# Altium PCB 10515.0461_全联供输出板_V1.1_20200827_1P.PcbDoc (part 1 of 4) (continued)
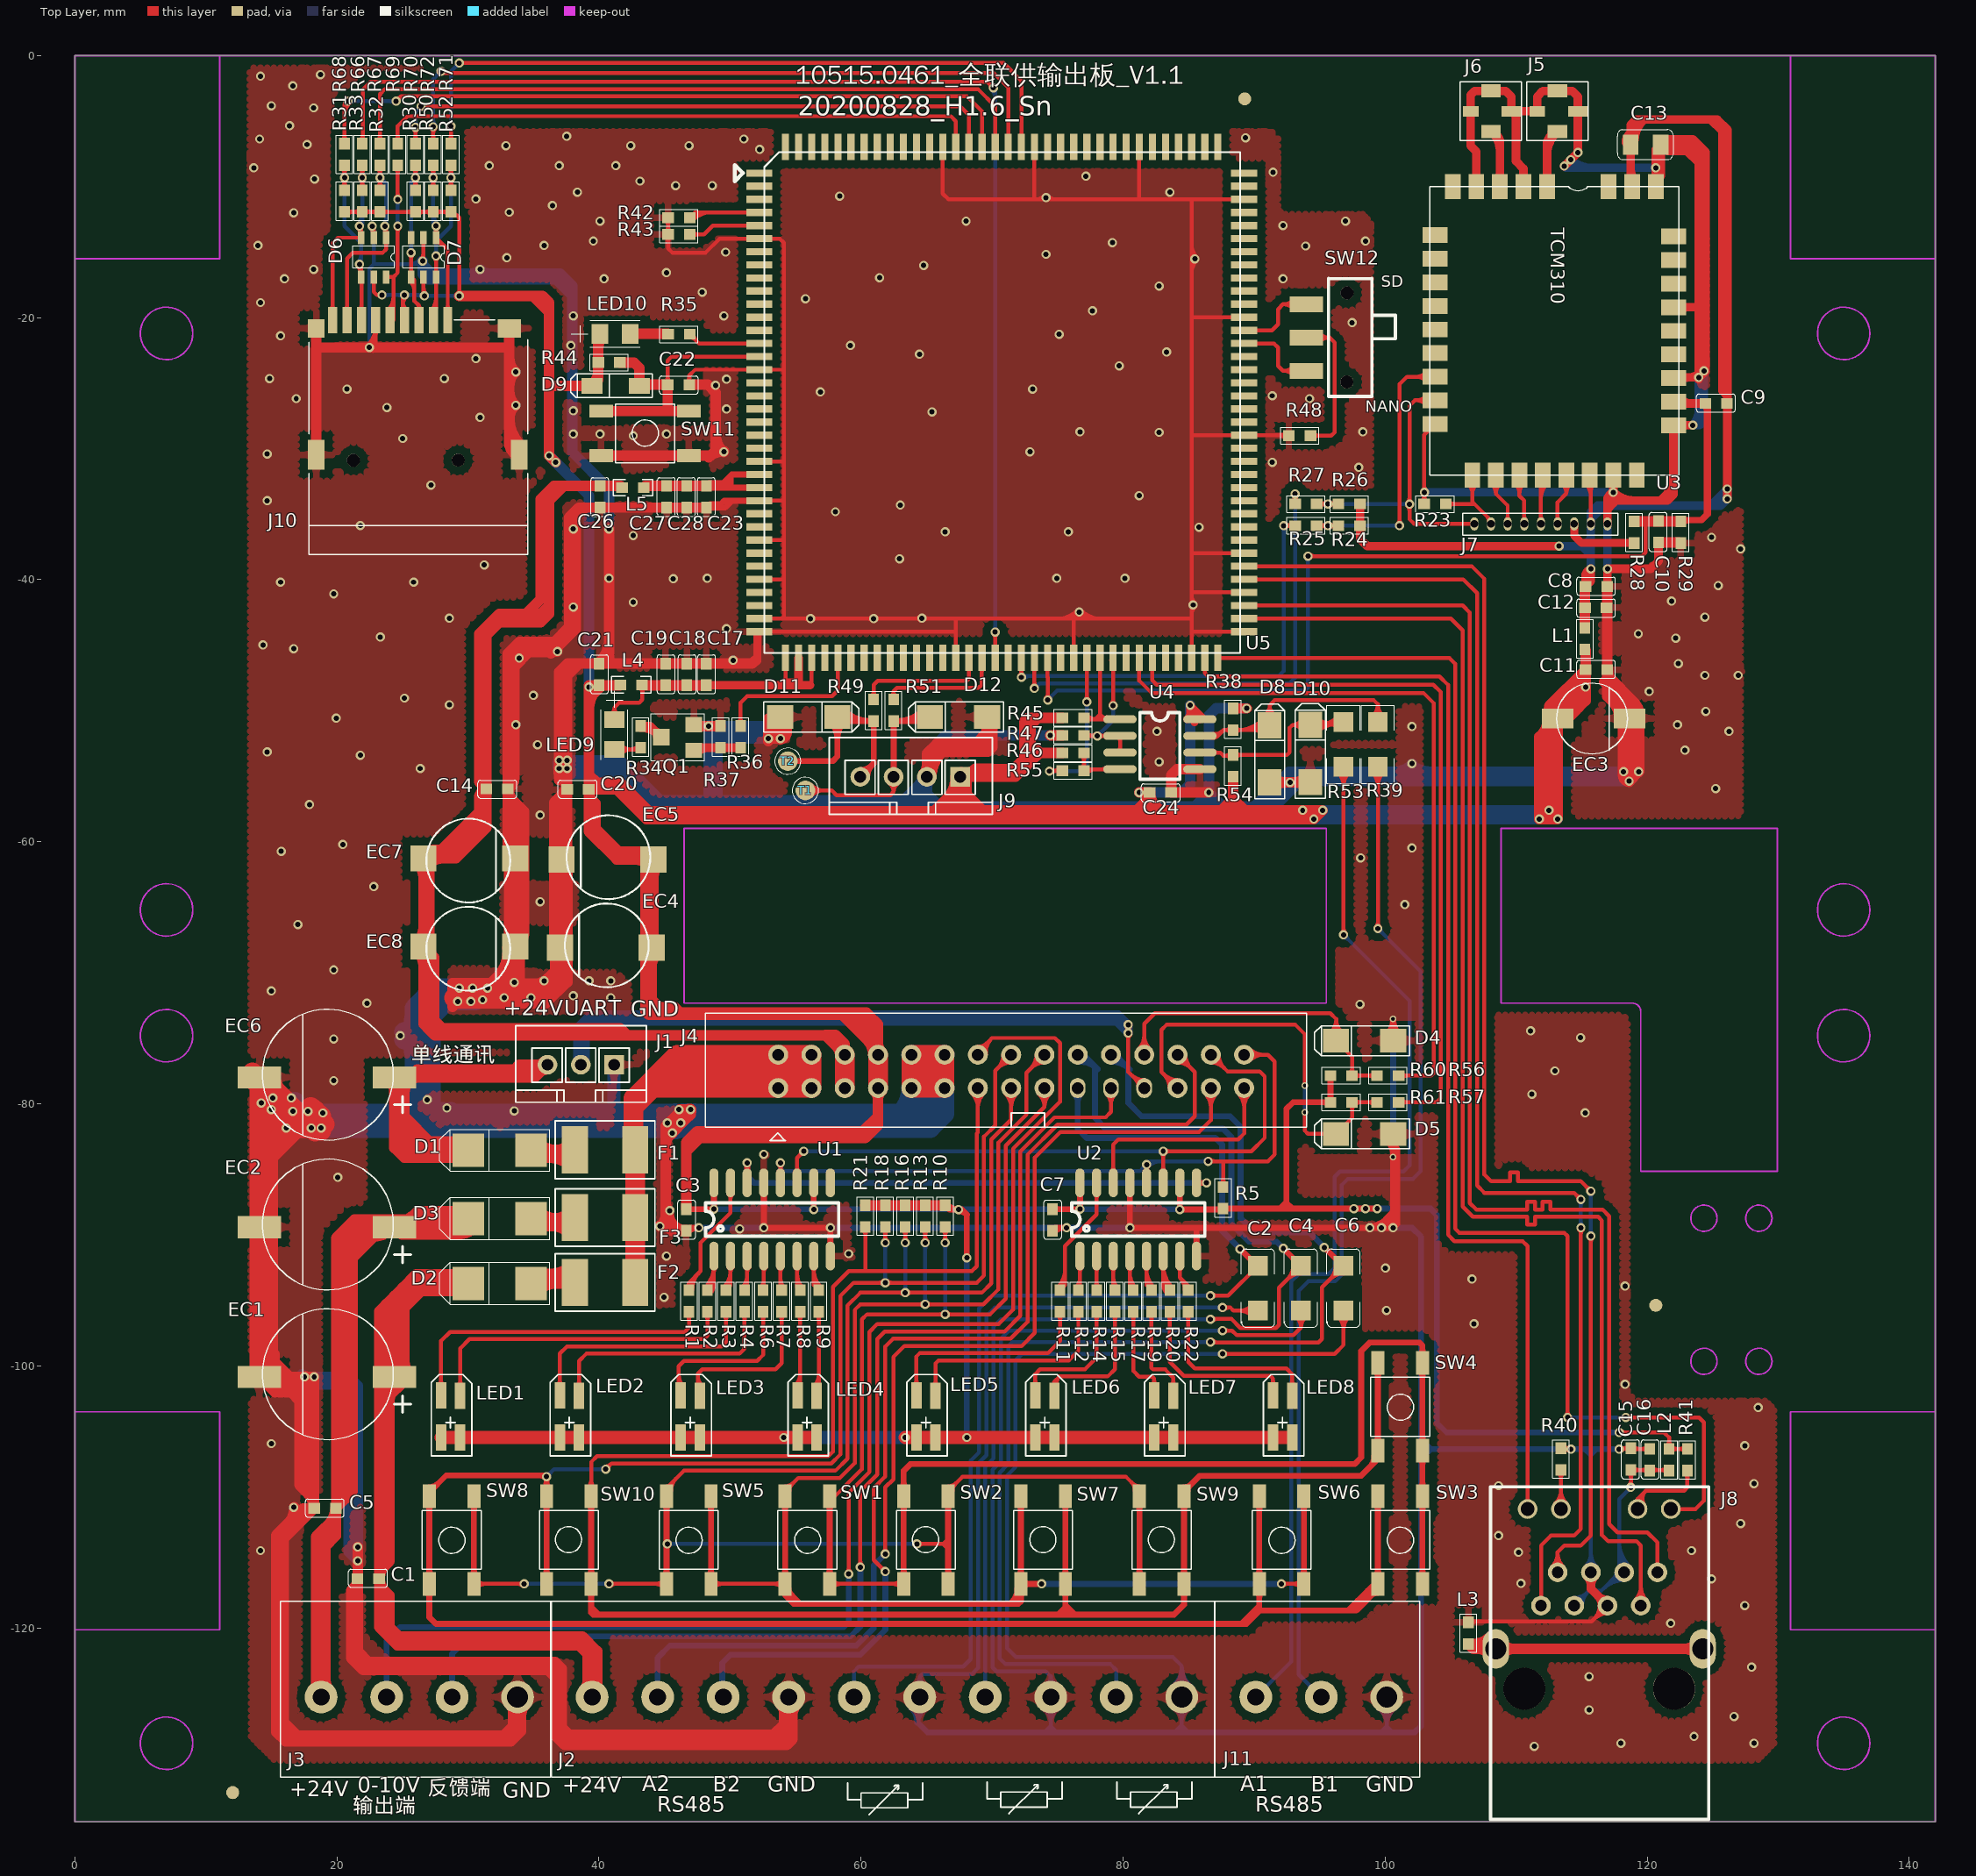
[diagram p0: Top Layer view]
## Footprints (in the part's own frame and the unit in brackets; to place one, negate y for a bottom-side part, rotate by r counter-clockwise, add the part's x,y. Pads: shape width x height; smd on the part's side, far side on the other; paste and mask are expansions set on the pad) (continued)
  rect 2x0.55 smd: 37(19.5,-16.5) 38(19.5,-15.5) 39(19.5,-14.5) 40(19.5,-13.5) 41(19.5,-12.5) 42(19.5,-11.5) 43(19.5,-10.5) 44(19.5,-9.5) 45(19.5,-8.5) 46(19.5,-7.5) 47(19.5,-6.5) 48(19.5,-5.5) 49(19.5,-4.5) 50(19.5,-3.5) 51(19.5,-2.5) 52(19.5,-1.5) 53(19.5,-0.5) 54(19.5,0.5) 55(19.5,1.5) 56(19.5,2.5) 57(19.5,3.5) 58(19.5,4.5) 59(19.5,5.5) 60(19.5,6.5) 61(19.5,7.5) 62(19.5,8.5) 63(19.5,9.5) 64(19.5,10.5) 65(19.5,11.5) 66(19.5,12.5) 67(19.5,13.5) 68(19.5,14.5) 69(19.5,15.5) 70(19.5,16.5) 107(-19.5,16.5) 108(-19.5,15.5) 109(-19.5,14.5) 110(-19.5,13.5) 111(-19.5,12.5) 112(-19.5,11.5) 113(-19.5,10.5) 114(-19.5,9.5) 115(-19.5,8.5) 116(-19.5,7.5) 117(-19.5,6.5) 118(-19.5,5.5) 119(-19.5,4.5) 120(-19.5,3.5) 121(-19.5,2.5) 122(-19.5,1.5) 123(-19.5,0.5) 124(-19.5,-0.5) 125(-19.5,-1.5) 126(-19.5,-2.5) 127(-19.5,-3.5) 128(-19.5,-4.5) 129(-19.5,-5.5) 130(-19.5,-6.5) 131(-19.5,-7.5) 132(-19.5,-8.5) 133(-19.5,-9.5) 134(-19.5,-10.5) 135(-19.5,-11.5) 136(-19.5,-12.5) 137(-19.5,-13.5) 138(-19.5,-14.5) 139(-19.5,-15.5) 140(-19.5,-16.5)
  silkscreen extent -19.11,-20.38 19.12,18.2
RJ45-MJ3A-B211-RSL15T022-1 [mm]
  round 3.2 hole 3.2: 0(-0.25,-13.72) 0(11.18,-13.72)
  round 1.5 hole 0.9: 1(9.91,-4.83) 2(8.64,-7.37) 3(7.37,-4.83) 4(6.1,-7.37) 5(4.83,-4.83) 6(3.56,-7.37) 7(2.29,-4.83) 8(1.02,-7.37)
  round 1.5 hole 1.05: 9(0,0) 10(2.54,0) 11(8.39,0) 12(10.93,0)
  oval 2x3 hole 1.6: BO1(-2.43,-10.67) BO2(13.36,-10.67)
  silkscreen extent -2.82,-23.69 13.82,1.69
SOIC-8 [mil]
  oval 100x24 smd: 1(0.27,-0.17) 2(0.27,-50.17) 3(0.27,-100.17) 4(0.27,-150.17) 5(240.27,-150.17) 6(240.27,-100.17) 7(240.27,-50.17) 8(240.27,-0.17)
  silkscreen extent 60,-180 180,20, body extent 5,-170 241,23, height 67
SOP-16 [mm]
  oval 2.2x0.7 smd: 1(0,0) 2(0,-1.27) 3(0,-2.54) 4(0,-3.81) 5(0,-5.08) 6(0,-6.35) 7(0,-7.62) 8(0,-8.89) 9(5.588,-8.89) 10(5.588,-7.62) 11(5.588,-6.35) 12(5.588,-5.08) 13(5.588,-3.81) 14(5.588,-2.54) 15(5.588,-1.27) 16(5.588,0)
  silkscreen extent 1.52,-9.53 4.06,0.64
SWITCH/K3-1280S-F2 [mm]
  rect 1.2x2.54 smd: 1(-2.54,0) 2(0,0) 3(2.54,0)
  round 1 hole 1 unplated: ""(-3.403,3.103) ""(3.396,3.1)
  silkscreen extent -4.5,1.7 4.5,6.8
SWITCH/KAN4542 [mm]
  rect 1.8x1 smd: 1(-3.172,-1.751) 2(3.528,-1.751) 3(3.528,1.649) 4(-3.172,1.649)
  silkscreen extent -2.07,-2.3 2.43,2.2
TCM310 [mm]
  rect 1.9x1.2 smd: 1(-11,7.75) 2(-11,5.95) 3(-11,4.15) 4(-11,-0.55) 5(-11,-2.35) 6(-11,-4.15) 7(-11,-5.95) 8(-11,-7.75) 18(11,-6.25) 19(11,-4.457) 20(11,-2.664) 21(11,-0.871) 22(11,0.921) 23(11,2.714) 24(11,4.507) 25(11,6.3)
  rect 1.2x1.9 smd: 9(-7.3,-9.1) 10(-5.5,-9.1) 11(-3.7,-9.1) 12(-1.9,-9.1) 13(-0.1,-9.1) 14(1.7,-9.1) 15(3.5,-9.1) 16(5.3,-9.1) 17(7.1,-9.1) 26(7.2,9.1) 27(5.4,9.1) 28(3.6,9.1) 29(1.8,9.1) 30(0,9.1) 31(-1.8,9.1) 32(-3.6,9.1) 33(-5.4,9.1) 34(-7.2,9.1)
  silkscreen extent -11,-9.5 11,9.5
TEST [mm]
  round 1.5 smd: 1(0,0)
  silkscreen extent -1,-1 1,1
TF-01A [mm]
  rect 0.7x2 smd: 1(2.292,5.145) 2(1.192,5.143) 3(0.096,5.145) 4(-1.004,5.145) 5(-2.103,5.145) 6(-3.201,5.145) 7(-4.297,5.145) 8(-5.395,5.145) 9(-6.499,5.145)
  rect 1.27x1.397 smd: 10(-7.747,4.507)
  rect 1.27x2.286 smd: 11(-7.747,-5.145) 12(7.747,-5.145)
  rect 1.778x1.397 smd: 13(6.985,4.507)
  round 1 hole 1 unplated: ""(-4.915,-5.557) ""(3.084,-5.554)
  silkscreen extent -8.31,-12.76 8.39,5.14
TSOT-6L [mm]
  rect 1x0.5 smd: 1(0,0) 2(0,-0.95) 3(0,-1.9) 4(3,-1.905) 5(3,-0.95) 6(3,0)
  silkscreen extent 0.63,-2.54 2.29,0.64
W.FL.LP-3MM [mm]
  rect 1x1.5 smd: 1(1.55,0) 2(-1.55,0)
  rect 0.8x1.5 smd: 3(0,1.55)
  rect 0.8x1.2 smd: 4(0,-1.55)
  silkscreen extent -2.24,-2.36 2.24,2.34

## Part data
C1 C2 C3 C4 C5 C6 C7 C8 C9 C10 C11 C12 C14 C15 C16 C17 C18 C19 C20 C21 C22 C23 C24 C26 C27 C28: library part CAP/CAP/SMT/0603C
C13: library part CAP/CAP/SMT/0805C
D1: library part D/D/SMT/1N4007/DO-214
D2 D3: library part D/D/SMT/1N5819/DO-214
D4 D5 D8 D10 D11 D12: library part D/TVS/SMT/SMF13CA/SOD-123
D6 D7: library part D/TVS/SMT/SR05-4B/SOT-363
D9: library part D/D/SMT/1N4148/SOD-123, "VR=75V T(-65-175)P(0.5W)VF=0.6V"
EC1 EC2 EC6: library part CAP/AEC/DIP/330uF/25V
EC3: library part CAP/AEC/SMT/47uF/16V
EC4 EC5 EC7 EC8: library part CAP/AEC/SMT/100uF/25V
F1 F2 F3: library part FUSE/PTC/SMT/100MA
J1 J4: "Connector"
J2: library part CON/DIP/1X10PIN/WJ305-5.0, "Connector"
J3: library part CON/DIP/1X4PIN/WJ103-5.0MM, "Connector"
J5 J6: library part Antena
J7: library part CON/DIP/1X9PIN/1.27MM
J8: library part RJ45B-48F-01GY2DPL2NL, "RJ45 + MAG"
J9: library part CON/DIP/1X4PIN/2.54MM, "Connector"
J11: library part CON/DIP/1X3PIN/WJ103-5.0MM, "Connector"
L1 L2 L3: library part INDUCTOR1
L4 L5: library part L/BEAD/SMT/0603L
LED1 LED2 LED3 LED4 LED5 LED6 LED7 LED8: library part D/LED/DIP/WEJT910C-R3H4-BA共阳
LED9 LED10: library part D/LED/SMT/BL-HUF35A-TRB高亮红/0805
Q1: library part BJT/NPN/SMT/SS8050/SOT-23
R1 R2 R3 R4 R5 R6 R7 R8 R9 R10 R11 R12 R13 R14 R15 R16 R17 R18 R19 R20 R21 R22 R23 R24 R25 R26 R27 R28 R29 R30 R31 R32 R33 R38 R40 R41 R42 R43 R44 R45 R46 R47 R49 R50 R51 R52 R54 R55 R56 R57 R60 R61 R66 R67 R68 R69 R70 R71 R72: library part RES/RES/SMT/0603
R34 R35 R36 R37 R48: library part Res, "Resistor"
R39 R53: library part RES/RES/SMT/1206
SW1 SW2 SW3 SW4 SW5 SW6 SW7 SW8 SW9 SW10 SW11: library part SWITCH/TACT/SMT/KAN4542-0381A, "4.5mm*4.5mm*3.8mm"
SW12: library part SWITCH/DIP/K3-1280S-F2
U1 U2: library part IC/TTL/SMT/SN74HC595, "8-bit serial-in,serial or parallel-out shift register with output latches;3-state"
U4: library part SP485EN

## Free pads (board coordinates)
  round 2 on Top Solder: 0(12.04,-132.563) 0(89.281,-3.302) 0(120.65,-95.377)
  round 1 all layers, no hole: 0(12.04,-132.563) 0(89.281,-3.302) 0(120.65,-95.377)
  round 2 on Bottom Solder: 0(12.04,-132.563) 0(89.281,-3.302) 0(120.65,-95.377)

## Via types
v1: diameter 0.7, hole 0.4, Top Layer to Bottom Layer, tented both sides, 417 vias
v2: diameter 0.5, hole 0.3, Top Layer to Bottom Layer, tented both sides, 4 vias

## Nets (pads, with @x,y where several pads share a name; then routed paths per layer and width w, separated by ;. In a path a pad name is that pad's centre, name@x,y a point inside that pad or via, vN(x,y) a via of type N, cw(c..) or ccw(c..) an arc to the next point about the centre after c; other vN are vias at no path point)
485_CTRL_SELECT_0: U5.44
485_CTRL_SELECT_1: U5.45
+3.3V: C3.1 C7.1 C11.1 C20.2 C21.2 C24.2 D6.5 D7.5 D9.1 EC3.1 EC4.1 EC5.1 J4.7 J4.8 J9.1 J10.4 L1.1 L2.1 L4.1 LED1.1 LED1.3 LED2.1 LED2.3 LED3.1 LED3.3 LED4.1 LED4.3 LED5.1 LED5.3 LED6.1 LED6.3 LED7.1 LED7.3 LED8.1 LED8.3 LED10.2 R5.1 R10.2 R13.2 R16.2 R18.2 R21.2 R30.2 R31.2 R32.2 R33.2 R41.2 R44.2 R45.2 R46.1 R50.2 R52.2 R54.2 R60.2 R61.2 U1.10 U1.16 U2.10 U2.16 U4.8 | length 823
  Top Layer w0.3: R31.2@20.574,-11.927 R32.2@23.283,-11.927 R30.2@25.993,-11.927 R52.2@28.702,-11.927 28.892,-11.927 29.337,-12.372 v1(29.337,-18.341) ; R31.2@20.755,-12.109 cw(c21.193,-12.547) 21.193,-11.927 cw(c21.193,-11.308) R31.2@20.755,-11.746 ; R33.2@21.747,-12.109 ccw(c21.31,-12.547) 21.31,-11.927 ccw(c21.31,-11.308) R33.2@21.747,-11.746 ; R33.2@22.11,-12.109 cw(c22.548,-12.547) 22.548,-11.927 cw(c22.548,-11.308) R33.2@22.11,-11.746 ; D6.5@22.799,-16.896 22.799,-18.026 23.048,-18.275 ; R32.2@23.102,-12.109 ccw(c22.664,-12.547) 22.664,-11.927 ccw(c22.664,-11.308) R32.2@23.102,-11.746 ; v1@23.271,-18.39 ccw(c23.048,-18.547) 23.048,-18.275 ; v1@23.271,-18.16 cw(c23.048,-18.003) 23.048,-18.275 ; v1@23.307,-18.275 23.048,-18.275 ; R32.2@23.465,-12.109 cw(c23.902,-12.547) 23.902,-11.927 cw(c23.902,-11.308) R32.2@23.465,-11.746 ; J10.4@25.019,-20.042 v1@25.019,-18.341 ; 25.019,-19.064 cw(c25.935,-19.064) v1@25.287,-18.416 ; 25.019,-18.712 ccw(c25.977,-18.712) J10.4@25.3,-19.389 ; R30.2@25.811,-12.109 ccw(c25.374,-12.547) 25.374,-11.927 ccw(c25.374,-11.308) R30.2@25.811,-11.746 ; R30.2@26.174,-12.109 cw(c26.612,-12.547) 26.612,-11.927 cw(c26.612,-11.308) R30.2@26.174,-11.746 ; v1@26.609,-18.275 D7.5@26.609,-16.896 ; 26.609,-17.711 ccw(c27.3,-17.711) v1@26.811,-18.2 ; R50.2@27.166,-12.109 ccw(c26.728,-12.547) 26.728,-11.927 ccw(c26.728,-11.308) R50.2@27.166,-11.746 ; R50.2@27.529,-12.109 cw(c27.966,-12.547) 27.966,-11.927 cw(c27.966,-11.308) R50.2@27.529,-11.746 ; R52.2@28.521,-12.109 ccw(c28.083,-12.547) 28.083,-11.927 ccw(c28.083,-11.308) R52.2@28.521,-11.746 ; v1@29.196,-18.2 ccw(c28.854,-17.858) 29.337,-17.858 ccw(c29.82,-17.858) v1@29.478,-18.2 ; v1(117.856,-105.082) 121.285,-105.082 121.666,-105.463 L2.1@121.666,-106.338 R41.2@123.063,-106.338 ; v1@117.997,-105.223 cw(c118.339,-105.565) 118.339,-105.082 cw(c118.339,-104.599) v1@117.997,-104.941 ; L2.1@121.485,-106.119 ccw(c121.047,-105.681) 121.666,-105.681 ccw(c122.285,-105.681) L2.1@121.847,-106.119 ; L2.1@121.847,-106.52 cw(c122.285,-106.957) 122.285,-106.338 cw(c122.285,-105.719) L2.1@121.847,-106.157 ; R41.2@122.882,-106.52 ccw(c122.444,-106.957) 122.444,-106.338 ccw(c122.444,-105.719) R41.2@122.882,-106.157
  Top Layer w0.45: C3.1@46.659,-88.039 v1(48.768,-88.039) U1.16@48.768,-86.032 ; C3.1@46.787,-88.167 cw(c47.097,-88.477) 47.097,-88.039 cw(c47.097,-87.601) C3.1@46.787,-87.91 ; v1(56.388,-88.064) U1.10@56.388,-86.032 ; R10.2@66.421,-87.746 66.738,-88.064 v1(67.437,-88.064) cw(c67.437,-86.895) R10.2@66.557,-87.665 ; v1@67.437,-88.189 cw(c67.437,-89.104) 68.084,-88.457 ; v1@67.691,-88.064 68.072,-88.445 v1(68.072,-91.747) ; C7.1@74.599,-88.039 v1(76.708,-88.039) U2.16@76.708,-86.032 ; C7.1@74.727,-88.167 cw(c75.037,-88.477) 75.037,-88.039 cw(c75.037,-87.601) C7.1@74.727,-87.91 ; U2.10@84.328,-86.032 v1(84.328,-88.064) R5.1@87.566,-88.064 ; 87.131,-88.064 ccw(c87.131,-87.539) R5.1@87.502,-87.91 ; R5.1@87.63,-88 v1(99.39,-88) ; R5.1@87.758,-88.129 cw(c88.068,-88.438) 88.068,-88 cw(c88.068,-87.563) R5.1@87.758,-87.872 ; 91.973,-88 92.456,-87.518 92.456,-87.02 ; 92.456,-88 92.456,-87.02 ; 92.913,-88 92.456,-87.543 92.456,-87.02 ; R61.2@95.655,-80.011 ccw(c95.345,-80.321) 95.345,-79.883 ccw(c95.345,-79.445) R61.2@95.655,-79.755 ; R61.2@95.693,-79.755 ccw(c95.384,-79.445) 95.821,-79.445 ccw(c96.259,-79.445) R61.2@95.95,-79.755 ; R60.2@95.693,-77.979 cw(c95.384,-78.289) 95.821,-78.289 cw(c96.259,-78.289) R60.2@95.95,-77.979 ; R60.2@95.821,-77.851 R61.2@95.821,-79.883 92.964,-79.883 92.456,-80.391 92.456,-87.02
  Top Layer w0.6: U4.8@84.89,-50.648 ccw(c84.347,-50.105) 85.115,-50.105 ; v1@85.165,-49.581 ccw(c86.077,-49.581) 85.432,-50.225 ; v1@85.169,-49.66 cw(c84.34,-50.489) U4.8@85.465,-50.82 ; 85.282,-50.075 cw(c84.758,-50.599) U4.8@85.448,-50.869 ; U4.8@86.102,-50.593 85.088,-49.579 v1(85.115,-49.581) ; v1(85.115,-49.581) 85.115,-49.908 U4.8@85.859,-50.652 85.297,-50.652 85.115,-50.47 v1(85.115,-49.581)
  Top Layer w0.65: 43.942,-72.57 44.577,-72.57 45.827,-72.57 46.216,-72.959 46.236,-72.959 46.311,-73.034 46.482,-73.205
  Top Layer w0.8: v1(29.337,-18.341) 34.798,-18.341 ; 36.195,-19.611 34.925,-18.341 34.798,-18.341 ; 36.322,-25.199 D9.1@39.475,-25.199 39.941,-24.733 LED10.2@39.941,-21.376 ; v1(36.703,-31.041) v1(36.195,-30.533) 36.195,-18.849 35.687,-18.341 34.798,-18.341 ; 39.218,-55.55 39.268,-55.499 40.157,-55.499 ; 39.218,-54.864 39.853,-55.499 ; 39.218,-50.014 cw(c41.921,-50.014) C21.2@40.01,-48.102 ; 39.218,-49.075 40.005,-48.288 C21.2@40.005,-48.059 ; C20.2@39.262,-56.012 ccw(c40.029,-56.227) 39.466,-56.791 ; C20.2@39.262,-56.011 cw(c39.853,-56.096) 39.853,-55.499 ; D9.1@39.534,-25.058 ccw(c38.549,-24.073) 39.941,-24.073 ; 39.942,-22.268 cw(c40.986,-22.268) LED10.2@40.247,-21.53 ; L4.1@41.598,-48.059 39.218,-48.059 C20.2@39.218,-56.01 ; EC5.1@43.292,-60.759 cw(c43.292,-62.086) EC5.1@44.291,-61.212 ; 43.561,-70.615 cw(c46.553,-70.615) 44.437,-68.499 ccw(c45.462,-69.524) 44.013,-69.524 ccw(c42.564,-69.524) EC4.1@43.589,-68.499 ; 43.561,-65.535 ccw(c46.553,-65.535) 44.437,-67.651 cw(c45.155,-66.933) 44.14,-66.933 ; 43.561,-64.19 cw(c46.986,-64.19) 44.564,-61.768 ccw(c45.589,-62.793) 44.14,-62.793 ccw(c42.691,-62.793) 43.716,-61.768 ccw(c42.691,-62.793) 42.691,-61.344 ccw(c42.691,-59.895) EC5.1@43.716,-60.92 ; EC5.1@43.561,-62.259 cw(c45.055,-62.259) EC5.1@43.999,-61.203 ; EC5.1@43.561,-61.923 43.561,-72.951 43.815,-73.205 46.482,-73.205 58.547,-73.205 ; EC4.1@43.589,-67.651 ccw(c42.258,-66.32) 44.14,-66.32 ; EC5.1@43.688,-61.739 ccw(c41.529,-63.628) 41.529,-60.759 ; 44.406,-73.034 46.311,-73.034 60.408,-73.034 60.579,-73.205 ; 44.577,-72.57 44.013,-72.006 EC4.1@44.013,-68.075 44.14,-67.948 EC5.1@44.14,-61.344 ; C3.1@46.659,-88.039 46.659,-82.934 47.498,-82.095 60.15,-82.095 61.293,-80.952 ; 46.659,-83.619 47.675,-82.603 48.133,-82.603 ; 46.99,-82.603 48.133,-82.603 ; R21.2@60.325,-87.746 R18.2@61.849,-87.746 R16.2@63.373,-87.746 R13.2@64.897,-87.746 R10.2@66.421,-87.746 ; 60.461,-75.119 cw(c59.328,-76.253) J4.8@60.931,-76.253 ; J4.7@61.037,-79.049 cw(c60.419,-79.667) 61.293,-79.667 cw(c62.167,-79.667) J4.7@61.549,-79.049 ; J4.8@61.037,-75.997 ccw(c60.419,-75.379) 61.293,-75.379 ccw(c62.167,-75.379) J4.8@61.549,-75.997 ; J4.7@61.293,-78.793 61.293,-81.635 60.325,-82.603 48.133,-82.603 ; J4.8@61.293,-76.253 J4.8@61.293,-75.951 ; 66.511,-56.741 ccw(c64.814,-55.044) J9.1@67.214,-55.044 ; 67.009,-58.263 68.047,-57.226 68.047,-56.388 ; J9.1@67.392,-55.349 cw(c66.756,-56.472) 68.047,-56.472 ; 67.564,-57.531 66.832,-58.263 66.03,-58.263 ; J9.1@67.564,-55.688 65.594,-57.658 43.79,-57.658 41.631,-55.499 40.157,-55.499 ; J9.1@67.66,-54.707 ccw(c67.956,-53.668) 68.72,-54.432 ; J9.1@67.811,-54.797 ccw(c68.409,-54.199) 68.409,-55.044 ccw(c68.409,-55.889) J9.1@67.811,-55.291 ; J9.1@68.047,-55.499 68.047,-56.388 ; 69.252,-57.594 68.047,-56.388 ; 72.472,-53.619 71.634,-54.458 70.02,-54.458 69.995,-54.432 68.72,-54.432 ; 72.923,-53.924 72.923,-53.911 ; 72.923,-53.162 72.987,-53.226 73.609,-53.226 ; 72.923,-52.502 73.609,-53.188 73.609,-53.226 ; R46.1@75.362,-53.226 73.609,-53.226 ; R45.2@75.362,-50.533 74.117,-50.533 ; 81.051,-57.594 82.017,-56.628 C24.2@82.017,-56.235 ; v1(81.229,-56.235) C24.2@82.017,-56.235 ; 81.662,-56.983 ccw(c80.914,-56.235) C24.2@81.972,-56.235 ; 82.042,-58.263 82.017,-58.238 C24.2@82.017,-56.235 ; C24.2@82.061,-56.235 ccw(c83.487,-56.235) 82.479,-57.243 ; 82.829,-57.594 82.017,-56.781 C24.2@82.017,-56.235 ; 87.517,-57.594 88.392,-56.718 ; R54.2@88.392,-55.029 88.392,-56.718 ; 88.443,-58.263 88.392,-58.213 88.392,-56.718 ; 89.267,-57.594 88.392,-56.718 ; 91.135,-58.263 91.131,-58.259 90.726,-58.259 90.061,-57.594 ; 92.204,-58.263 ccw(c92.204,-56.097) v1@93.736,-57.629 ; 93.058,-57.594 cw(c93.058,-59.76) v1@94.59,-58.228 ; v1@93.653,-57.609 ccw(c94.555,-57.315) v1(94.555,-58.263) ; v1@94.505,-58.26 cw(c95.225,-58.315) v1(95.225,-57.594) ; 111.76,-55.935 ccw(c114.156,-55.935) v1@112.462,-57.629 ; 111.985,-51.764 ccw(c111.027,-50.806) EC3.1@112.37,-50.628 ; EC3.1@112.373,-50.7 cw(c114.15,-50.531) 112.887,-49.269 ; v1@112.447,-57.594 ccw(c113.126,-57.584) v1@113.126,-58.263 ; v1@112.467,-57.633 ccw(c112.737,-57.277) 113.054,-57.594 ; v1@112.481,-57.641 ccw(c112.694,-57.008) 113.167,-57.48 113.054,-57.594 ; v1@112.497,-57.526 v1(111.76,-58.263) ; 112.522,-54.028 112.522,-51.227 EC3.1@113.167,-50.582 ; 112.522,-53.442 112.497,-53.466 v1(112.497,-57.594) ; 112.522,-51.898 cw(c114.033,-51.898) EC3.1@112.964,-50.829 ; EC3.1@112.522,-51.107 112.522,-49.635 ; v1@112.532,-57.629 ccw(c111.001,-56.097) 113.167,-56.097 ; v1@112.546,-57.602 cw(c111.76,-57.465) v1(111.76,-58.263) ; EC3.1@112.893,-50.279 cw(c113.268,-49.635) 112.522,-49.635 ; EC3.1@112.92,-50.829 cw(c112.322,-51.427) 113.167,-51.427 cw(c114.012,-51.427) EC3.1@113.414,-50.829 ; EC3.1@112.92,-50.335 ccw(c112.322,-49.737) 113.167,-49.737 ccw(c114.012,-49.737) EC3.1@113.414,-50.335 ; 113.167,-54.399 113.167,-53.95 ; EC3.1@113.169,-50.625 cw(c116.344,-50.323) 114.089,-48.068 ; EC3.1@113.617,-50.232 ccw(c113.617,-48.617) 114.759,-49.759 ; 113.88,-48.86 ccw(c115.603,-50.582) EC3.1@113.167,-50.582 ; EC3.1@113.936,-50.582 115.291,-49.227 v1(115.291,-48.186) ; EC3.1@113.965,-50.549 cw(c118.539,-50.115) C11.1@115.291,-46.866 ; 114.119,-48.621 cw(c115.291,-49.794) v1@115.291,-48.136 ; 114.533,-49.216 ccw(c115.898,-50.582) 113.967,-50.582 cw(c118.334,-50.582) 115.246,-47.494 ; 114.802,-47.938 ccw(c113.73,-46.866) C11.1@115.246,-46.866 ; v1@115.252,-48.218 cw(c115.696,-47.855) 115.291,-47.449 113.167,-49.573 EC3.1@113.167,-50.582 ; L1.1@115.291,-45.376 C11.1@115.291,-46.866 ; C20.2@39.218,-56.01 39.218,-59.21 41.352,-61.344 EC5.1@44.14,-61.344 ; C20.2@39.218,-56.01 39.218,-56.543 39.751,-57.076 39.751,-58.981 41.529,-60.759 ; C20.2@39.218,-56.01 41.354,-56.01 43.608,-58.263 66.03,-58.263 ; 39.853,-55.499 40.157,-55.499 ; 40.157,-55.499 ccw(c40.157,-56.537) 39.261,-56.013 cw(c40.157,-56.537) 40.157,-55.499 ; 41.529,-60.759 43.555,-60.759 EC5.1@44.14,-61.344 ; 58.547,-73.205 J4.8@61.293,-75.951 ; 58.547,-73.205 59.563,-73.205 ; 59.563,-73.205 60.579,-73.205 ; 59.563,-73.205 61.293,-74.935 ; 60.579,-73.205 61.293,-73.919 61.293,-74.935 ; J4.8@61.293,-75.951 61.293,-74.935 ; 66.03,-58.263 68.174,-58.263 ; 66.03,-58.263 67.062,-57.232 ; 67.062,-57.232 67.142,-57.232 68.174,-58.263 ; 67.062,-57.232 67.564,-56.729 J9.1@67.564,-55.044 ; 67.564,-55.889 cw(c68.409,-55.889) J9.1@67.811,-55.291 ; 67.564,-55.889 ccw(c66.719,-55.889) 67.317,-55.291 cw(c66.719,-55.889) 67.564,-55.889 ; 67.564,-55.889 cw(c68.409,-55.889) J9.1@67.811,-55.291 ; J9.1@67.564,-55.044 68.108,-55.044 68.72,-54.432 ; J9.1@67.564,-55.044 67.564,-57.594 90.061,-57.594 ; J9.1@67.564,-55.044 71.791,-55.044 72.472,-54.362 ; 68.174,-58.263 v1(94.555,-58.263) ; 72.472,-54.362 72.472,-50.781 72.72,-50.533 74.117,-50.533 ; 72.472,-54.362 72.923,-53.911 ; 72.923,-53.911 72.923,-51.13 73.52,-50.533 74.117,-50.533 ; 72.923,-53.911 73.609,-53.226 ; 90.061,-57.594 v1(95.225,-57.594) ; v1(94.555,-58.263) v1(95.225,-57.594) ; v1(111.76,-58.263) 111.76,-51.989 EC3.1@113.167,-50.582 ; v1(111.76,-58.263) 111.827,-58.263 v1(112.497,-57.594) ; v1(111.76,-58.263) v1@113.126,-58.263 ; v1(112.497,-57.594) 113.054,-57.594 ; 112.522,-49.635 C11.1@115.291,-46.866 ; v1@113.126,-58.263 113.167,-58.223 113.167,-53.95 ; 113.167,-53.95 EC3.1@113.167,-50.582 ; EC3.1@113.167,-50.582 115.291,-48.458 v1(115.291,-48.186) ; v1(115.291,-48.186) C11.1@115.291,-46.866
  Top Layer w1: LED1.1@27.94,-105.463 LED2.1@37.011,-105.463 LED3.1@46.228,-105.463 LED4.1@55.154,-105.463 LED4.3@56.261,-105.463 ; v1(63.373,-105.463) LED5.1@64.226,-105.463 v1(68.072,-105.463) LED6.1@73.297,-105.463 LED7.1@82.369,-105.463 LED8.1@91.44,-105.463 LED8.3@92.583,-105.463
  Top Layer w1.5: J4.7@61.293,-78.793 J4.8@61.293,-76.253
  Bottom Layer w0.3: v1@23.307,-18.275 v1@26.604,-18.275 ; v1@23.575,-18.416 cw(c23.917,-18.758) 23.917,-18.275 cw(c23.917,-17.792) v1@23.575,-18.134 ; v1@25.005,-18.416 ccw(c24.663,-18.758) 24.663,-18.275 ccw(c24.663,-17.792) v1@25.005,-18.134 ; v1@25.287,-18.416 cw(c25.629,-18.758) 25.629,-18.275 cw(c25.629,-17.792) v1@25.287,-18.134 ; 26.028,-18.275 cw(c26.028,-18.983) v1@26.529,-18.482 ; v1(26.67,-18.341) v1(29.337,-18.341) ; v1@26.811,-18.482 cw(c27.153,-18.824) 27.153,-18.341 cw(c27.153,-17.858) v1@26.811,-18.2 ; v1@29.196,-18.482 ccw(c28.854,-18.824) 28.854,-18.341 ccw(c28.854,-17.858) v1@29.196,-18.2
  Bottom Layer w0.45: v1(48.768,-88.039) v1(76.708,-88.039) v1@84.328,-88.039 ; 56.025,-88.039 cw(c56.025,-88.427) v1@56.3,-88.152 ; v1@56.476,-88.152 cw(c56.751,-88.427) 56.751,-88.039 ; 67.074,-88.039 cw(c67.074,-88.427) v1@67.349,-88.152 ; v1@67.525,-88.152 cw(c67.8,-88.427) 67.8,-88.039 ; v1(68.072,-105.463) v1(68.072,-91.747) ; 83.965,-88.039 cw(c83.965,-88.427) v1@84.24,-88.152 ; v1(97.612,-88) 103.469,-88 103.937,-88.468 103.937,-104.343 104.676,-105.082 v1(117.856,-105.082)
  Bottom Layer w0.8: v1@36.322,-30.66 39.243,-33.581 v1(39.243,-48.186) ; v1(81.229,-56.235) 84.507,-56.235 85.115,-55.626 v1(85.115,-49.581) ; v1@94.505,-58.26 cw(c95.225,-58.315) v1(95.225,-57.594) ; v1@94.602,-58.248 ccw(c93.701,-58.542) v1(93.701,-57.594) ; v1@95.189,-57.629 ccw(c96.721,-56.097) 96.721,-58.263 ; v1@95.274,-57.597 cw(c94.555,-57.542) v1(94.555,-58.263) ; 110.263,-57.594 cw(c110.263,-59.76) v1@111.795,-58.228 ; 111.001,-58.263 ccw(c111.001,-56.097) v1@112.532,-57.629 ; v1@111.711,-58.255 cw(c112.497,-58.392) v1(112.497,-57.594) ; v1@112.447,-57.597 ccw(c113.167,-57.542) v1(113.167,-58.263) ; v1(93.701,-57.594) 94.37,-58.263 v1(94.555,-58.263) ; v1(93.701,-57.594) v1(95.225,-57.594) ; v1(94.555,-58.263) 99.736,-58.263 v1(113.167,-58.263) ; v1(95.225,-57.594) 96.164,-57.594 v1(112.497,-57.594) v1(113.167,-58.263)
  Bottom Layer w1: v1@53.975,-105.463 v1(63.373,-105.463)
  other v1: 54.102,-105.463 98.501,-88 23.434,-18.275 25.146,-18.275
+3.3VD: C17.2 C18.2 C19.2 L4.2 LED9.2 U5.37 U5.38 U5.39 | length 29.2
  Top Layer w0.3: LED9.2@40.901,-50.274 ccw(c40.55,-49.759) 41.173,-49.759 ; LED9.2@41.173,-50.675 41.173,-49.759 ; LED9.2@41.446,-50.274 cw(c41.797,-49.759) 41.173,-49.759 ; L4.2@43.138,-48.208 cw(c42.731,-48.615) 43.307,-48.615 ; L4.2@43.282,-48.026 43.307,-48.052 43.307,-49.149 43.053,-49.403 41.529,-49.403 41.173,-49.759 ; 43.307,-48.676 cw(c43.969,-48.676) L4.2@43.501,-48.208 ; 51.803,-48.059 51.901,-48.157 52.803,-48.157 ; 53.721,-48.059 54.229,-47.551 54.229,-47.424 ; U5.37@54.144,-46.782 cw(c53.937,-46.989) 54.229,-46.989 ; 54.229,-47.678 54.229,-47.424 ; 54.229,-47.003 cw(c54.541,-47.003) U5.37@54.32,-46.782 ; U5.37@54.232,-45.969 54.229,-45.972 54.229,-47.424 ; 54.242,-47.665 55.232,-47.665 ; U5.39@56.144,-46.782 cw(c55.93,-46.996) 56.232,-46.996 cw(c56.534,-46.996) U5.39@56.32,-46.782 ; 56.232,-48.157 U5.39@56.232,-45.969
  Top Layer w0.65: C17.2@48.183,-48.059 55.232,-48.059 ; U5.38@55.232,-45.969 55.232,-47.665 55.232,-48.059 ; 56.105,-48.059 55.232,-48.059
  Top Layer w0.8: L4.2@43.314,-48.059 C19.2@45.085,-48.059 C18.2@46.697,-48.059 C17.2@48.183,-48.059
+5V: C14.2 C26.2 EC7.1 EC8.1 J4.5 J4.6 L5.1 | length 203.7
  Top Layer w0.8: EC7.1@26.435,-61.153 cw(c27.429,-61.842) EC7.1@27.429,-60.632 ; EC8.1@26.74,-67.857 cw(c25.071,-69.526) 27.432,-69.526 ; EC8.1@27.023,-68.422 ccw(c28.048,-69.447) 26.599,-69.447 ccw(c25.15,-69.447) EC8.1@26.175,-68.422 ; EC8.1@27.023,-67.574 cw(c28.048,-66.549) 26.599,-66.549 cw(c25.15,-66.549) 26.175,-67.574 ccw(c24.059,-65.458) 27.051,-65.458 ; EC7.1@27.023,-60.843 ccw(c28.048,-59.818) 28.048,-61.267 ccw(c28.048,-62.716) 27.023,-61.691 ccw(c28.048,-62.716) 26.599,-62.716 ccw(c25.15,-62.716) 26.175,-61.691 cw(c24.059,-63.807) 27.051,-63.807 ; 27.051,-70.538 ccw(c24.059,-70.538) EC8.1@26.175,-68.422 ; EC7.1@27.051,-61.267 27.051,-74.348 ; EC7.1@27.092,-61.608 cw(c28.956,-62.898) 28.956,-60.632 ; 27.432,-71.458 ccw(c23.139,-71.458) EC8.1@26.175,-68.422 ; 30.861,-58.727 30.861,-56.493 C14.2@31.394,-55.96 ; 30.861,-57.171 cw(c32.568,-57.171) C14.2@31.361,-55.964 ; 30.861,-56.688 cw(c31.633,-56.688) C14.2@31.359,-55.966 ; 30.861,-54.749 ccw(c32.568,-54.749) C14.2@31.361,-55.955 ; 31.115,-57.457 27.305,-61.267 EC7.1@26.599,-61.267 ; 31.394,-58.194 28.956,-60.632 ; 31.394,-44.249 32.41,-43.233 35.56,-43.233 36.195,-42.598 36.195,-41.963 ; 34.417,-42.598 35.56,-41.455 35.56,-33.835 36.551,-32.844 C26.2@40.082,-32.844 ; L5.1@41.631,-32.844 C26.2@40.082,-32.844 ; 42.164,-74.777 41.608,-74.221 28.019,-74.221 27.432,-73.634 27.432,-68.831 EC8.1@26.599,-67.998 ; J4.6@58.391,-76.253 ccw(c57.517,-76.253) 58.135,-75.635 ccw(c58.753,-75.017) J4.6@58.753,-75.891 ; EC8.1@26.599,-67.998 EC7.1@26.599,-61.267 ; EC8.1@26.599,-67.998 26.599,-73.896 27.051,-74.348 ; EC7.1@26.599,-61.267 29.083,-61.267 31.394,-58.956 C14.2@31.394,-55.96 ; EC7.1@26.599,-61.267 26.67,-61.267 27.305,-60.632 28.956,-60.632 ; 27.051,-74.348 27.48,-74.777 57.277,-74.777 ; C14.2@31.394,-55.96 31.394,-43.589 ; C14.2@31.394,-55.96 30.861,-55.427 30.861,-44.122 31.394,-43.589 ; 31.394,-43.589 32.385,-42.598 35.56,-42.598 36.195,-41.963 ; 36.195,-41.963 36.195,-33.962 37.313,-32.844 C26.2@40.082,-32.844 ; 57.277,-74.777 J4.6@58.753,-76.253 58.753,-75.443 58.039,-74.729 57.277,-74.729 57.277,-74.777
  Top Layer w1.5: J4.5@58.753,-78.793 J4.6@58.753,-76.253
+5V1: C23.2 C27.2 C28.2 L5.2 U5.24 U5.25 | length 16.1
  Top Layer w0.45: C23.2@48.335,-32.969 50.038,-32.969 ; C23.2@48.338,-32.935 cw(c49.049,-33.646) 49.049,-32.64 ; C23.2@48.338,-32.754 ccw(c48.857,-32.236) 48.857,-32.969 ; C23.2@48.414,-32.64 49.478,-32.64 ; 49.149,-32.969 49.478,-32.64 ; 49.53,-32.969 49.634,-32.969 50.038,-32.565 ; U5.25@52.232,-32.969 50.038,-32.969 ; U5.24@52.232,-31.969 50.126,-31.969 50.038,-32.057 ; 49.478,-32.64 50.038,-32.08 50.038,-32.057 ; 50.038,-32.969 50.038,-32.565 ; 50.038,-32.565 50.038,-32.057
  Top Layer w0.8: L5.2@43.536,-32.844 C27.2@45.162,-32.844 C28.2@46.686,-32.844 C23.2@48.21,-32.844
+24V: F1.1 F2.2 F3.2 J4.1 J4.2 J4.3 J4.4 | length 86.3
  Top Layer w0.8: F1.1@42.341,-82.286 ccw(c41.317,-81.262) 42.766,-81.262 ccw(c44.214,-81.262) F1.1@43.19,-82.286 ; F1.1@42.766,-83.51 42.766,-80.604 44.577,-78.793
  Top Layer w1.5: F1.1@42.639,-83.51 42.639,-79.588 45.974,-76.253 J4.2@53.673,-76.253 ; F2.2@42.766,-93.398 F1.1@42.766,-83.51 ; 50.271,-77.396 cw(c50.271,-82.195) J4.1@53.665,-78.801 ; 50.885,-77.396 ccw(c50.885,-73.465) J4.2@53.665,-76.245 ; 52.811,-77.396 cw(c52.811,-82.195) J4.3@56.205,-78.801 ; 53.425,-77.396 ccw(c53.425,-73.465) J4.4@56.205,-76.245 ; J4.2@53.683,-76.246 ccw(c55.832,-74.813) 55.832,-77.396 ; J4.1@53.684,-78.798 cw(c55.832,-79.743) 55.832,-77.396 ; J4.1@53.673,-78.793 43.434,-78.793 44.831,-77.396 55.832,-77.396 ; J4.1@53.673,-78.793 J4.3@56.213,-78.793 J4.4@56.213,-76.253 J4.2@53.673,-76.253 ; J4.1@53.673,-78.793 J4.2@53.673,-76.253
+24VA: C1.2 D2.1 EC1.1 J2.10 | length 166.7
  Top Layer w0.8: 23.216,-119.916 23.216,-119.355 ; 23.216,-116.738 24.003,-117.526 24.003,-119.941 24.712,-120.65 38.735,-120.65 39.853,-121.768 39.853,-125.652 39.141,-124.94 39.141,-121.996 38.481,-121.336 24.613,-121.336 23.216,-119.939 23.216,-119.355 ; 23.216,-115.697 24.003,-114.91 24.003,-109.044 ; 23.216,-102.069 cw(c24.092,-102.069) EC1.1@23.756,-101.26 ; 23.216,-98.868 ccw(c25.56,-98.868) EC1.1@23.902,-100.526 ; EC1.1@23.266,-100.526 ccw(c22.099,-99.359) 23.749,-99.359 ; 23.65,-117.173 cw(c24.592,-116.231) 23.26,-116.231 cw(c24.657,-116.231) 23.669,-115.243 ; 24.003,-102.85 cw(c26.39,-102.85) EC1.1@24.702,-101.162 ; EC1.1@24.066,-100.526 ccw(c23.298,-99.758) 24.384,-99.758 ccw(c25.47,-99.758) EC1.1@24.702,-100.526 ; 24.638,-96.065 26.416,-94.287 ; EC1.1@24.866,-100.526 ccw(c24.189,-99.849) 25.146,-99.849 ; 25.146,-99.666 ccw(c26.362,-99.666) EC1.1@25.502,-100.526 ; 26.605,-93.017 cw(c26.605,-97.051) D2.1@29.458,-94.198 ; 26.851,-94.287 ccw(c26.851,-90.6) D2.1@29.458,-93.207 ; 28.537,-93.017 cw(c28.537,-95.119) D2.1@30.023,-93.633 ; 28.782,-94.287 ccw(c28.782,-92.531) D2.1@30.023,-93.773 ; D2.1@29.338,-93.017 26.035,-93.017 25.019,-94.033 ; D2.1@29.439,-94.287 26.416,-94.287 ; D2.1@29.458,-94.268 ccw(c28.092,-95.634) 28.092,-93.703 ccw(c28.092,-91.771) D2.1@29.458,-93.137 ; D2.1@30.023,-93.703 25.349,-93.703 25.019,-94.033 ; 39.141,-124.031 cw(c38.232,-124.031) 38.875,-124.674 ccw(c36.515,-122.314) 39.853,-122.314 ; 39.141,-122.415 ccw(c42.336,-122.415) J2.10@40.077,-124.674 ; 23.216,-119.355 23.216,-111.76 23.216,-108.257 ; 23.216,-108.257 23.216,-107.826 ; 23.216,-108.257 23.621,-108.662 24.003,-109.044 ; 23.216,-107.826 23.876,-107.166 23.876,-102.415 25.146,-101.145 25.146,-94.922 25.781,-94.287 26.416,-94.287 ; 23.216,-107.826 23.216,-103.05 ; 23.216,-103.05 23.216,-102.012 EC1.1@24.384,-100.844 24.384,-94.668 ; 23.216,-103.05 23.216,-95.836 23.749,-95.303 ; 23.749,-95.303 24.384,-94.668 ; 23.749,-95.303 23.749,-101.273 24.003,-101.527 24.003,-109.044 ; 24.384,-94.668 25.019,-94.033 ; 23.216,-102.82 cw(c25.56,-102.82) 23.902,-101.162 ccw(c25.56,-102.82) 23.216,-102.82
+24VA2: D1.1 EC6.1 J1.3 | length 85.5
  Top Layer w0.8: EC6.1@24.066,-78.302 cw(c23.298,-79.07) 24.384,-79.07 cw(c25.47,-79.07) EC6.1@24.702,-78.302 ; EC6.1@24.866,-78.302 cw(c24.189,-78.979) 25.146,-78.979 ; 25.146,-80.952 27.178,-82.984 ; 25.146,-79.162 cw(c26.362,-79.162) EC6.1@25.502,-78.302 ; EC6.1@25.343,-77.563 ccw(c25.599,-76.88) 26.115,-77.396 ; EC6.1@25.502,-77.666 ccw(c26.27,-76.898) 26.27,-77.984 ccw(c26.27,-79.07) EC6.1@25.502,-78.302 ; 26.035,-83.543 25.146,-82.654 25.146,-81.46 ; 26.605,-82.857 cw(c26.605,-86.891) D1.1@29.458,-84.038 ; 26.851,-84.127 ccw(c26.851,-80.44) D1.1@29.458,-83.047 ; 27.69,-77.396 ccw(c27.69,-80.49) EC6.1@25.502,-78.302 ; 28.537,-82.857 cw(c28.537,-84.959) D1.1@30.023,-83.473 ; 28.782,-84.127 ccw(c28.782,-82.371) D1.1@30.023,-83.613 ; D1.1@29.338,-82.857 26.035,-82.857 25.146,-81.968 25.146,-81.46 ; D1.1@29.439,-84.127 25.146,-84.127 24.384,-83.365 24.384,-82.222 ; D1.1@29.458,-84.108 ccw(c28.092,-85.474) 28.092,-83.543 ccw(c28.092,-81.611) D1.1@29.458,-82.977 ; D1.1@30.023,-83.543 25.197,-83.543 24.384,-82.73 24.384,-82.222 ; 30.741,-77.643 ccw(c30.143,-78.241) 30.143,-77.396 35.687,-77.396 J1.3@36.068,-77.015 ; 33.528,-77.396 33.909,-77.015 J1.3@36.068,-77.015 ; 34.303,-77.396 ccw(c34.303,-75.25) 35.821,-76.768 cw(c35.223,-76.17) 35.223,-77.015 cw(c35.223,-77.86) J1.3@35.821,-77.262 ; J1.3@35.718,-77.015 cw(c34.873,-77.015) 35.471,-77.612 cw(c36.068,-78.21) J1.3@36.068,-77.365 ; 24.384,-82.222 EC6.1@24.384,-77.984 ; EC6.1@24.384,-77.984 30.4,-77.984 ; EC6.1@24.384,-77.984 25.527,-77.984 26.115,-77.396 ; EC6.1@24.384,-77.984 25.146,-78.746 25.146,-80.825 25.146,-81.46 ; 26.115,-77.396 30.988,-77.396 30.4,-77.984 ; 30.4,-77.984 35.099,-77.984 J1.3@36.068,-77.015
+24VB: C5.2 D3.1 EC2.1 J3.4 | length 187.2
  Top Layer w0.8: J3.4@18.188,-124.674 ccw(c15.923,-122.409) 19.126,-122.409 ; 18.415,-122.32 ccw(c21.744,-122.32) 19.39,-124.674 cw(c20.027,-124.037) 19.126,-124.037 ; 18.789,-113.24 19.914,-112.116 ; 19.373,-112.072 ccw(c18.175,-110.874) C5.2@19.869,-110.874 ; C5.2@19.939,-110.874 19.939,-91.112 ; 19.939,-105.336 21.209,-104.066 ; 20.447,-104.828 20.447,-91.493 21.844,-90.096 ; 20.447,-92.509 21.209,-91.747 ; 20.726,-110.061 20.726,-104.549 ; EC2.1@22.744,-90.212 cw(c23.584,-91.052) EC2.1@23.584,-89.864 ; EC2.1@22.846,-90.11 ccw(c22.149,-89.414) EC2.1@23.134,-89.414 ; EC2.1@23.074,-90.096 ccw(c23.074,-89.188) EC2.1@23.904,-89.556 ; EC2.1@23.173,-89.232 cw(c21.844,-88.643) 21.844,-90.096 ; EC2.1@23.241,-89.706 ccw(c21.336,-91.329) 21.336,-88.826 ; EC2.1@23.266,-89.732 ccw(c22.498,-90.5) 22.498,-89.414 ccw(c22.498,-88.328) EC2.1@23.266,-89.096 ; EC2.1@24.937,-89.167 cw(c27.292,-91.522) 27.292,-88.191 ; EC2.1@25.318,-89.969 ccw(c25.318,-84.114) D3.1@29.458,-88.254 ; EC2.1@25.634,-89.414 cw(c27.312,-89.414) 26.125,-88.228 ; 26.658,-89.414 ccw(c26.658,-85.454) D3.1@29.458,-88.254 ; 26.912,-88.191 cw(c26.912,-91.791) D3.1@29.458,-89.245 ; 27.249,-89.969 ccw(c27.249,-86.045) 30.023,-88.82 cw(c28.589,-87.385) 28.589,-89.414 ; 27.61,-89.969 cw(c27.61,-86.988) 25.502,-89.096 ccw(c26.27,-88.328) 26.27,-89.414 ccw(c26.27,-90.5) EC2.1@25.502,-89.732 ; 27.69,-88.826 ccw(c27.69,-91.92) EC2.1@25.502,-89.732 ; 28.077,-88.826 ccw(c28.077,-86.873) D3.1@29.458,-88.254 ; 28.107,-88.826 cw(c28.107,-90.736) D3.1@29.458,-89.385 ; 28.804,-89.969 24.939,-89.969 EC2.1@24.384,-89.414 ; D3.1@28.843,-88.191 cw(c28.843,-89.86) D3.1@30.023,-88.68 ; D3.1@29.18,-89.969 ccw(c29.18,-87.977) D3.1@30.589,-89.385 ; D3.1@29.223,-88.191 ccw(c29.223,-93.453) EC2.1@25.502,-89.732 ; D3.1@29.465,-88.191 26.162,-88.191 24.939,-89.414 EC2.1@24.384,-89.414 ; D3.1@29.947,-88.826 EC2.1@25.781,-88.826 ; D3.1@30.023,-88.75 29.359,-89.414 EC2.1@24.384,-89.414 ; C5.2@19.914,-110.874 19.914,-112.979 19.126,-113.767 19.126,-124.938 18.415,-125.649 18.415,-113.03 19.914,-111.531 C5.2@19.914,-110.874 ; C5.2@19.914,-110.874 21.209,-109.579 21.209,-104.066 ; 19.939,-91.112 21.637,-89.414 EC2.1@24.384,-89.414 ; 19.939,-91.112 19.939,-90.223 21.336,-88.826 ; 21.209,-104.066 21.209,-91.747 ; 21.209,-91.747 EC2.1@23.542,-89.414 ; 21.336,-88.826 EC2.1@25.781,-88.826 ; 21.844,-90.096 22.86,-90.096 EC2.1@23.542,-89.414 ; EC2.1@23.542,-89.414 EC2.1@24.384,-89.414 ; EC2.1@24.384,-89.414 25.193,-89.414 EC2.1@25.781,-88.826
EARTH: J8.BO1 J8.BO2 L3.2 | length 30.3
  Top Layer w0.8: L3.2@106.354,-121.255 ccw(c107.173,-120.437) 107.173,-121.594 ; L3.2@106.685,-121.221 ccw(c106.685,-119.338) J8.BO1@108.017,-120.67 ; 107.3,-121.221 cw(c107.3,-122.235) J8.BO1@108.017,-121.518 ; J8.BO1@108.017,-122.018 ccw(c106.992,-123.043) 106.992,-121.594 ccw(c106.992,-120.145) J8.BO1@108.017,-121.17 ; J8.BO1@108.865,-122.018 cw(c109.89,-123.043) 109.89,-121.594 cw(c109.89,-120.145) J8.BO1@108.865,-121.17 ; J8.BO2@123.807,-122.018 ccw(c122.783,-123.042) 122.783,-121.594 ccw(c122.782,-120.145) J8.BO2@123.807,-121.17 ; J8.BO2@124.231,-121.594 J8.BO1@108.441,-121.594 ; J8.BO1@108.441,-121.594 106.722,-121.594 L3.2@106.35,-121.221 108.068,-121.221 J8.BO1@108.441,-121.594
FEEDBACK_VOLTAGE: J3.2 J4.21 | length 94.4
  Top Layer w0.3: v1@59.803,-115.228 ccw(c59.461,-114.886) 59.944,-114.886 ccw(c60.427,-114.886) v1@60.085,-115.228 ; v1@59.944,-115.242 59.944,-109.57 61.23,-108.284 61.23,-97.954 61.811,-97.373 70.955,-97.373 72.15,-96.178 72.15,-83.648 74.765,-81.033 78.659,-81.033 79.073,-80.619 J4.21@79.073,-78.793 ; J4.21@78.755,-79.273 cw(c77.987,-80.041) 79.073,-80.041 cw(c80.159,-80.041) J4.21@79.391,-79.273
  Bottom Layer w0.45: J3.2@28.789,-125.275 28.789,-121.96 30.11,-120.639 59.193,-120.639 59.944,-119.888 v1@59.944,-115.242
  other v1: 59.944,-115.369